# Altium PCB STM32F405.PcbDoc (part 3 of 3)
Units mil, origin at the board's own origin, x right, y up, seen from the top; angles counter-clockwise.
Board outline 3937.01 x 3937.01 mil, 4 copper layers (Top Layer, GND02, PWR03, Bottom Layer), stack 32.024 mil thick; 190 components, 150 nets, 1254 pads, 483 vias.
Unrouted connection lines stored in the file: 176.
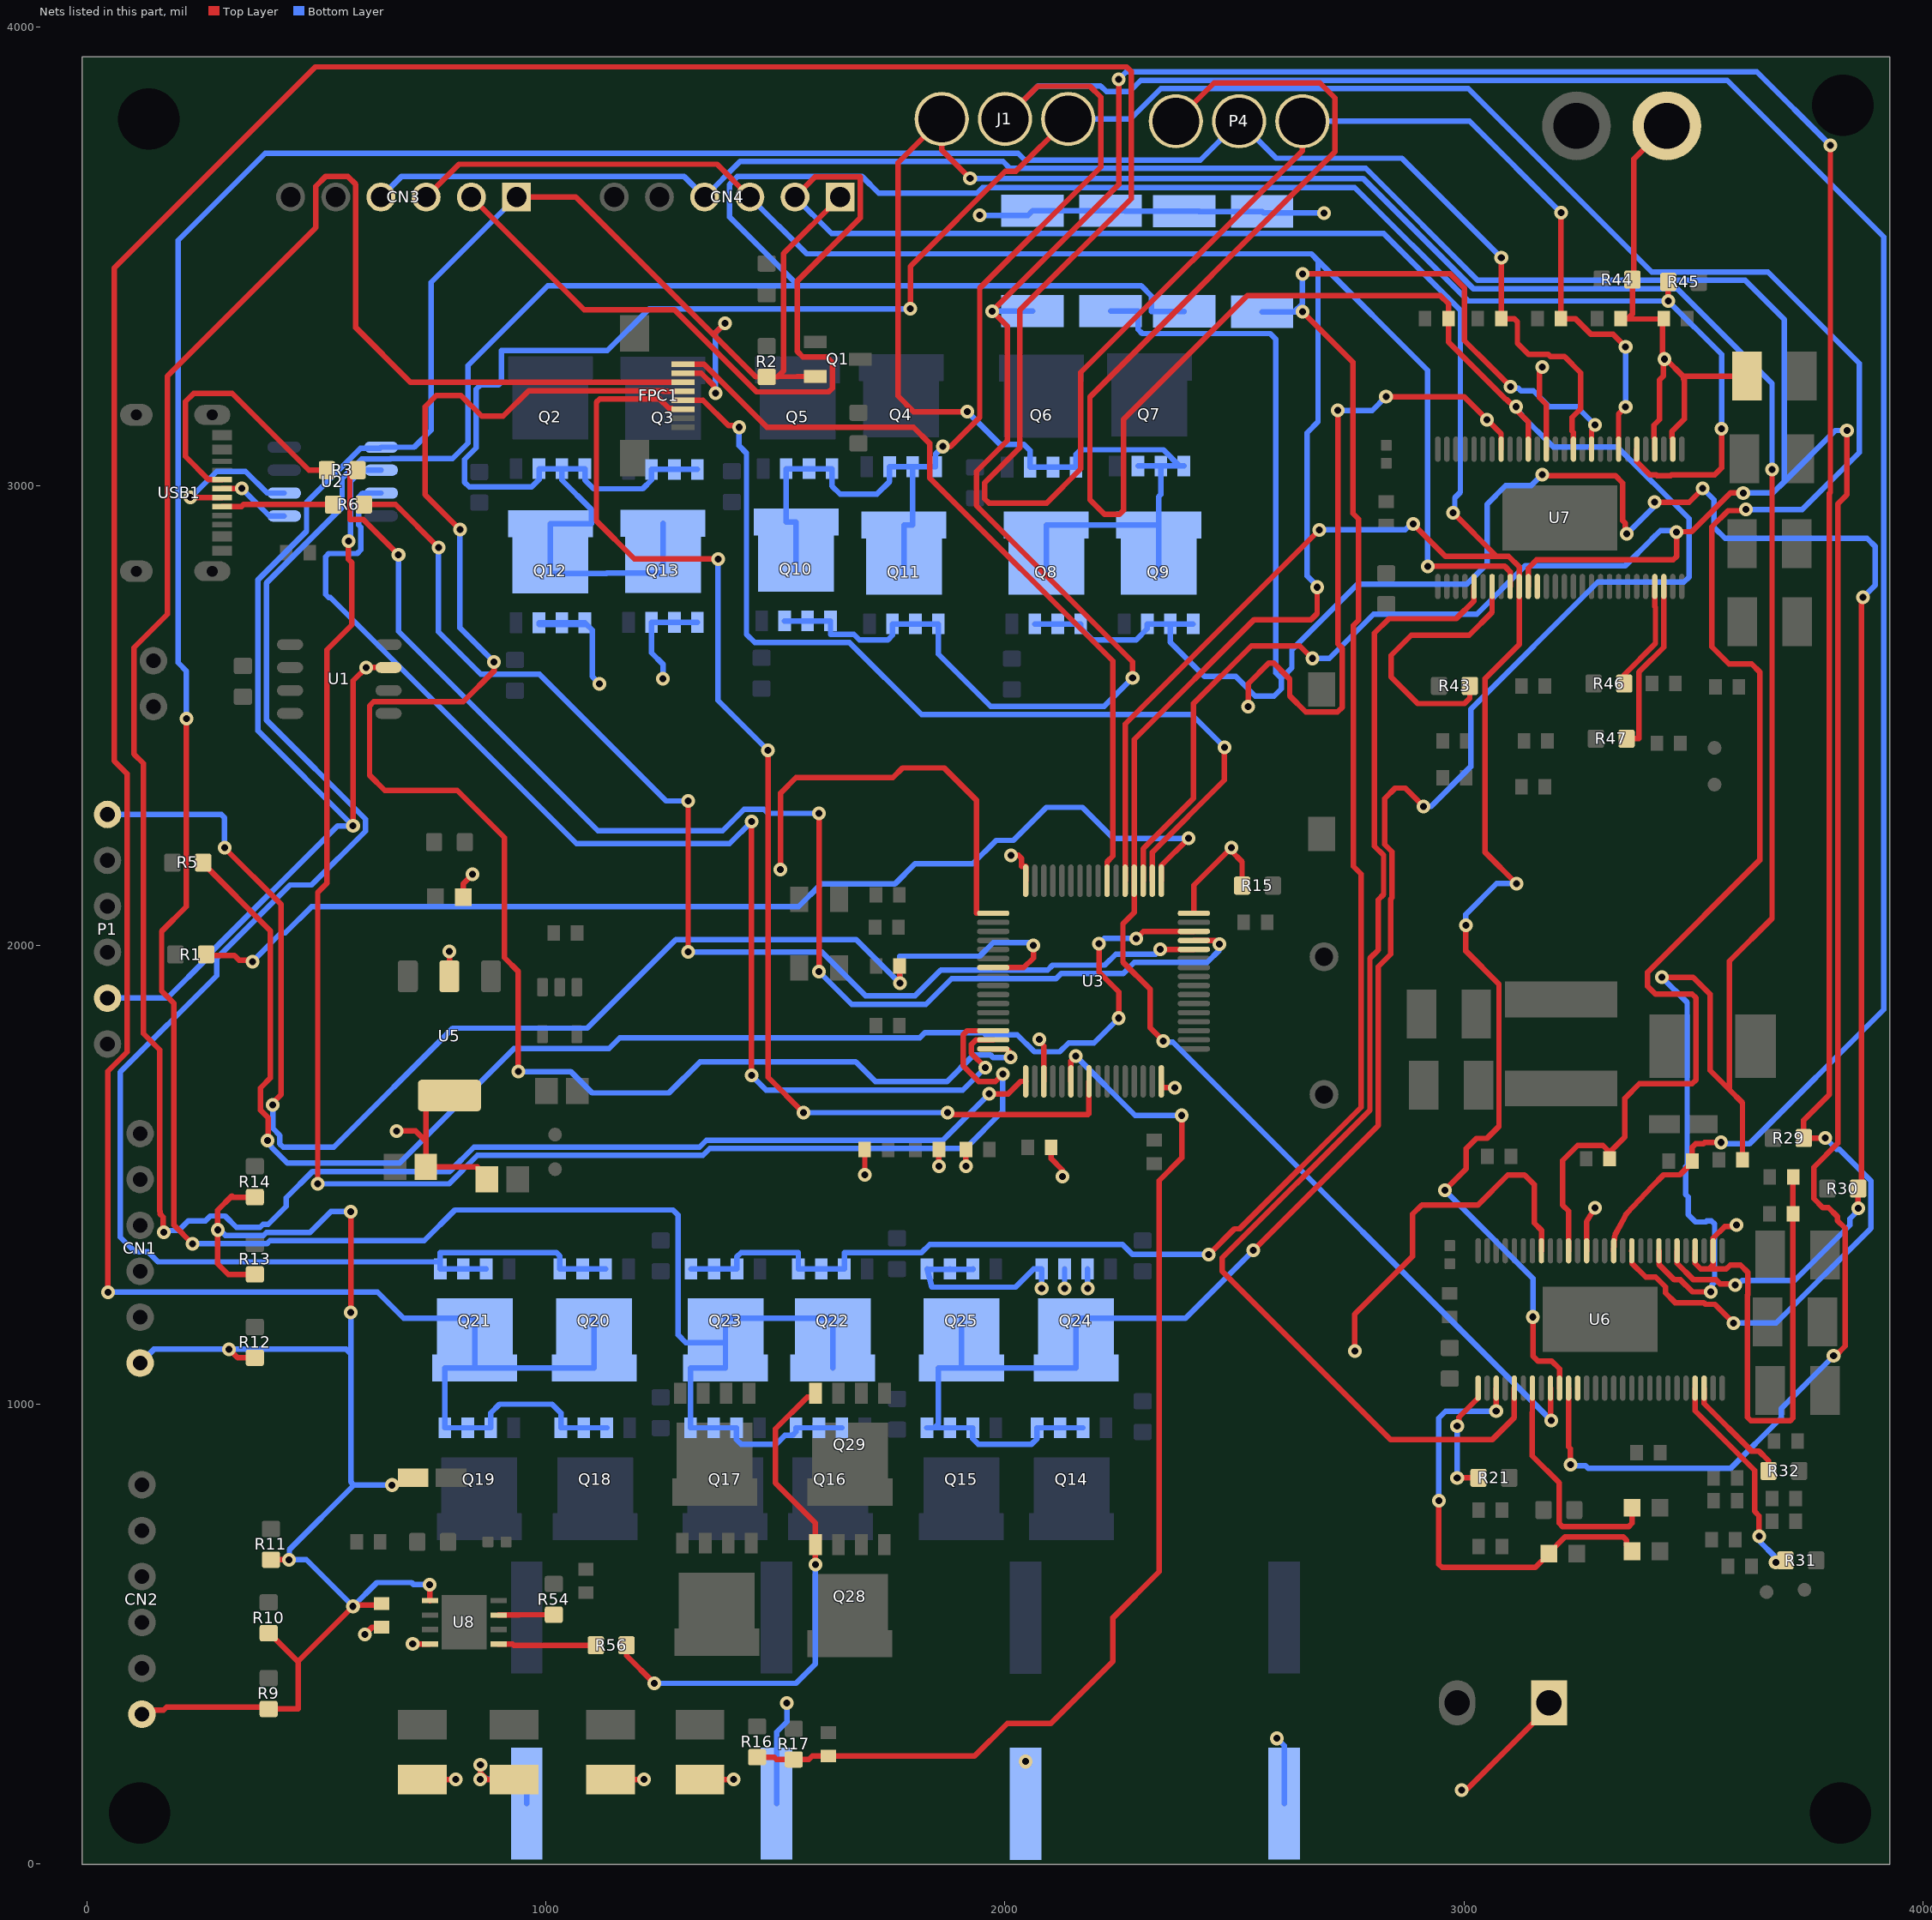
[diagram p5: the nets of this part, all layers, seen from the top]

## Via types
v1: diameter 30, hole 15, Top Layer to Bottom Layer, 441 vias
v2: diameter 27.56, hole 11.81, Top Layer to Bottom Layer, 42 vias

## Nets (pads, with @x,y where several pads share a name; then routed paths per layer and width w, separated by ;. In a path a pad name is that pad's centre, name@x,y a point inside that pad or via, vN(x,y) a via of type N, cw(c..) or ccw(c..) an arc to the next point about the centre after c; other vN are vias at no path point) (continued)
NetQ28_G: Q28.G Q29.G R56.1 | length 1149.5
  Top Layer w12: R56.1@1175.67,475.25 1175.67,452.71 v1(1235.99,392.39) ; v1(1586.99,651.39) 1587.2,651.6 Q28.G@1587.2,694.34 1587.2,741.39 1500,828.59 1500,946.4 1568.99,1015.39 1587.48,1015.39 Q29.G@1587.48,1024.34
  Bottom Layer w12: v1(1235.99,392.39) 1544.99,392.39 1586.99,434.39 v1(1586.99,651.39)
NetR3_1: R3.1 USB1.5 | length 605.3
  Top Layer w12: USB1.5@295,3014.68 264.99,3014.68 214.99,3064.68 214.99,3184.39 232.99,3202.39 316.38,3202.39 483.77,3035 R3.1@523.07,3035
NetR6_1: R6.1 USB1.8 | length 243.3
  Top Layer w12: USB1.8@295,2955.63 336.99,2955.63 341.36,2960 R6.1@536.53,2960
NetR21_1: R21.1 U6.1 | length 239.3
  Top Layer w12: v1(2985,840) R21.1@3031.53,840 ; v1(2985,953) 2988.44,956.44 2988.44,971.59 U6.1@3030.69,1013.84
  Bottom Layer w12: v1(2985,840) v1(2985,953)
NetR22_1: R22.1 R27.2 U6.3 | length 972.6
  Top Layer w12: v1(2945,790) 2945,651.77 2952.03,644.74 3155.41,644.74 3184.68,674.01 3184.68,675.98 3219.92,711.22 3346.88,711.22 3353.91,704.19 3353.91,692.31 R27.2@3366.22,680 ; v1(3070,985) 3070.08,985.08 3070.08,1035.32 U6.3@3070.16,1035.39
  Bottom Layer w12: v1(2945,790) 2945,970 2960,985 v1(3070,985)
NetR28_1: R28.1 U6.7 | length 517.8
  Top Layer w12: U6.7@3148.9,1035.39 3148.9,982.2 3148.62,981.93 3148.62,887.67 3206.99,829.3 3206.99,741.39 3214.99,733.39 3358.22,733.39 3366.22,741.39 R28.1@3366.22,775
NetR31_1: R31.1 U6.25 | length 475.3
  Top Layer w12: U6.25@3503.23,1035.39 3503.23,985.74 3632.99,855.98 3632.99,767 3642.74,757.24 v1(3642.74,713) ; v1(3678.96,655.7) 3681.11,657.85 3697.85,657.85 R31.1@3700,660
  Bottom Layer w12: v1(3642.74,713) 3646.19,709.56 3646.19,699.04 3675.51,669.72 3675.51,659.15 v1(3678.96,655.7)
NetR32_1: R32.1 U6.26 | length 247.9
  Top Layer w12: U6.26@3522.91,1035.39 3522.91,1001.47 3625.99,898.39 3642.07,898.39 3663.07,877.39 R32.1@3663.07,855
NetR43_1: R43.1 U7.7 | length 589.6
  Top Layer w12: R43.1@3012.52,2565 3012.52,2537.92 3000.99,2526.39 2898.99,2526.39 2840.99,2584.39 2840.99,2631.39 2884.99,2675.39 3011.1,2675.39 3061.1,2725.39 U7.7@3061.1,2781.56
NetR46_1: R46.1 U7.25 | length 240.4
  Top Layer w12: R46.1@3349.06,2570 3349.06,2589.55 3417,2657.5 3417,2736.18 3415.43,2737.75 U7.25@3415.43,2781.56
NetR47_1: R47.1 U7.26 | length 380.9
  Top Layer w12: R47.1@3354.06,2450 3380.99,2450 3380.99,2595.39 3435.12,2649.52 U7.26@3435.12,2781.56
NetR54_2: R54.2 U8.7 | length 120.7
  Top Layer w12: U8.7@896.81,541 941.74,541 942.53,541.78 R54.2@1017.2,541.78
NetR56_2: R56.2 U8.5 | length 213.1
  Top Layer w12: U8.5@896.81,478 927.23,478 929.99,475.25 R56.2@1108.74,475.25
NetU2_1: U2.1 USB1.6 | length 160.2
  Top Layer w12: USB1.6@295,2995 336.99,2995 v1(337.38,2995.39)
  Bottom Layer w12: v1(337.38,2995.39) 397.77,2935 U2.1@430,2935
NetU2_2: U2.2 USB1.7 | length 316.3
  Top Layer w12: v1(225.99,2975.31) USB1.7@295,2975.31
  Bottom Layer w12: v1(225.99,2975.31) 283.07,3032.39 345.6,3032.39 392.99,2985 U2.2@430,2985
NetU6_12: U6.12
NetU7_12: U7.12
nRST_4: C6.2 P1.6 U3.7 | length 3138.6
  Top Layer w12: v1(299.99,2212.39) 422.99,2089.39 422.99,1674.68 405.28,1656.97 v1(405.28,1652.1) ; C6.2@1770.59,1955 1770.59,1917.79 v1(1770.99,1917.39) ; U3.7@1974.43,1951.59 2021.96,1951.59 2022.16,1951.39 2040.99,1951.39 2061.99,1972.39 v1(2061.99,1999.39)
  Bottom Layer w12: P1.6@45,2285 292.96,2285.01 299.99,2277.98 v1(299.99,2212.39) ; v1(405.28,1652.1) 405.28,1601.1 420.55,1585.83 420.55,1567.42 427.58,1560.39 538.19,1560.39 797.19,1819.39 1089.99,1819.39 1282.99,2012.39 1675.99,2012.39 v1(1770.99,1917.39) 1770.99,1976.33 1945.09,1976.33 1974.26,2005.49 2055.88,2005.49 v1(2061.99,1999.39)
OCTW_4: U6.5 U7.5 | length 2693.3
  Top Layer w12: U7.5@3021.73,2781.56 3021.73,2750.39 2982.73,2711.39 2836.46,2711.39 2804.99,2679.92 2804.99,2215.95 2824.87,2196.07 2824.87,2110.92 2812.99,2099.03 2812.99,1989.51 2794.99,1971.51 2794.99,1640.79 2473.3,1319.1 2473.3,1289.88 2840.18,923 3061.18,923 3109.53,971.34 U6.5@3109.53,1035.39
PGND: C12.2 C13.2 C14.2 C15.2 C16.2 C17.1 C18.1 C19.1 C38.1 C41.1 C49.1 C56.1 C59.1 C68.1 P3.2 Q12.S Q13.S Q24.S Q25.S R36.1 R37.1 R44.1 R51.1 R52.1 U6.30 U6.32 U6.44 U7.30 U7.32 U7.44 U8.4 U9.1 | length 5797.1
  Top Layer w12: v1(605.47,498.66) 621.47,514.66 C68.1@642.2,514.66 ; v1(709.88,478) U8.4@747.59,478 ; C17.1@730.58,182.92 v1(803.73,182.92) ; v1(857.43,214.92) 857.43,197.39 871.9,182.92 C16.2@930.58,182.92 ; C18.1@1140.58,182.92 v1(1213.73,182.92) ; C19.1@1335.58,182.92 v1(1408.73,182.92) ; v1(2995,160) 2998.44,163.44 3008.29,163.44 3185,340.16 v1(3185,350) ; v1@3164.14,3254.14 3164.14,3192.97 3179.21,3177.9 U7.44@3179.21,3080.77 ; U6.44@3267.01,1334.61 3267.01,1392.09 3267.01,1397.2 3268.69,1401.43 v1(3285,1428) ; C56.1@3341.18,3365 3342.01,3364.17 3355.95,3364.17 ; R44.1@3364.34,3447.66 3369.54,3452.86 3369.54,3712.68 P3.2@3441.85,3785 ; R44.1@3366.67,3449.99 3366.67,3374.89 3355.95,3364.17 ; U7.32@3415.43,3080.77 3415.43,3103.95 3413.44,3105.94 3413.44,3133.01 3425.67,3145.24 3425.67,3231.56 3434.52,3240.41 3434.52,3274.52 v1(3436.85,3276.85) ; C59.1@3432.67,3362.67 3432.67,3285.9 3436.85,3281.72 v1(3436.85,3276.85) ; C59.1@3434.17,3364.17 3355.95,3364.17 ; U7.30@3454.8,3080.77 3454.8,3103.95 3452.81,3105.94 3452.81,3119.45 3479.67,3146.31 3479.67,3231.56 3477.67,3233.57 3477.67,3239.18 ; U6.32@3503.23,1334.61 3503.32,1334.51 3503.32,1307.22 3515.5,1295.05 3530.33,1295.05 3530.8,1295.52 3531.28,1295.05 3571.07,1295.05 3579.69,1303.66 3602.05,1303.66 3617.87,1287.84 3617.87,1238.64 3617.35,1238.12 3617.35,971.94 3624.9,964.39 3710.99,964.39 3716.53,969.94 C41.1@3716.53,1415 3716.53,1462.8 C38.1@3717.12,1495 ; 3534.12,1295.52 3542.5,1303.91 3542.5,1334.51 3542.69,1334.7 3542.69,1361.99 3568.17,1387.47 3590.2,1387.47 v1(3593.64,1390.91) ; C49.1@3616.11,3240 3615.29,3239.18 3477.67,3239.18 ; v1(3436.85,3276.85) 3440,3276.85 3477.67,3239.18
  Bottom Layer w12: v1(856.99,183.39) 958.33,183.39 C14.2@958.33,130.34 ; Q12.S@985,2702.69 Q12.S@985,2702.39 ; Q12.S@1035,2702.69 Q12.S@1035,2702.39 ; Q12.S@1085,2702.69 1085,2702.39 Q12.S@1035,2702.39 ; v1(1116.99,2569.39) 1100.99,2585.39 1100.99,2686.39 1088.99,2698.39 985,2698.39 Q12.S@985,2702.39 ; Q13.S@1230,2703.54 Q13.S@1230,2703.39 ; v1(1254.99,2580.39) 1254.99,2612.4 1230,2637.39 Q13.S@1230,2703.39 ; Q13.S@1280,2703.54 Q13.S@1280,2703.39 ; Q13.S@1330,2703.54 1330,2703.39 Q13.S@1280,2703.39 ; C12.2@1502.61,130.34 1502.61,286.28 1524.99,308.65 v1(1524.99,349.06) ; Q25.S@1880.27,1295 Q25.S@1880.27,1294.39 ; Q25.S@1930.27,1295 1930.27,1294.39 Q25.S@1880.27,1294.39 ; v1(1945,3590) 2050,3590 R37.1@2060,3600 R36.1@2230,3600 2261.99,3600 2261.99,3599.13 R51.1@2390.56,3599.13 2422.99,3599.13 2422.99,3598.5 R52.1@2560,3598.5 2563.5,3595 v1(2695,3595) ; v1(2080,1252.36) Q24.S@2080,1295 2062.6,1295 2022.99,1255.39 1840.99,1255.39 Q25.S@1830.44,1294.39 ; v1(2130,1252.36) Q24.S@2130,1295 ; v1(2180,1252.36) Q24.S@2180,1295 ; v1(2592.33,272.39) 2608.33,256.39 C13.2@2608.33,130.34 ; Q12.S@985,2702.39 Q12.S@1035,2702.39 ; Q13.S@1230,2703.39 Q13.S@1280,2703.39 ; Q25.S@1830.44,1294.39 Q25.S@1880.27,1294.39 ; Q25.S@1830.44,1294.39 1830.27,1294.39 Q25.S@1830.27,1295 Q25.S@1830.44,1294.39
  other v1: 2045,221.93 3170,3260
RXD_4: U2.7 U3.15 | length 2718
  Top Layer w12: v1(1447.99,1716.39) v1(1447.99,2269.39) ; v1(1957.49,1733.89) 1927,1764.38 1927,1784.12 1936.99,1794.11 U3.15@1974.43,1794.11
  Bottom Layer w12: U2.7@641.22,2985 600.99,2985 592.18,2976.19 592.18,2915.2 596.99,2910.39 596.99,2861.39 588.99,2853.39 527.03,2853.39 520,2846.36 520,2764.42 527.03,2757.39 530.36,2757.39 1066.36,2221.39 1399.99,2221.39 v1(1447.99,2269.39) ; v1(1447.99,1716.39) 1479.78,1684.6 1908.2,1684.6 v1(1957.49,1733.89)
SH_A_2: C50.1 P4.1 Q14.S Q15.S Q24.D Q25.D U7.46 | length 7185.7
  Top Layer w12: P4.1@2372.2,3795 2455.59,3878.39 2685.99,3878.39 2718.99,3845.39 2718.99,3728.39 2184.99,3194.39 2184.99,2970.39 2216.99,2938.39 2248.99,2938.39 2257.99,2947.39 2257.99,3145.39 2527.99,3415.39 2948.18,3415.39 2966.18,3397.39 C50.1@2966.18,3365 2966.18,3313.82 3090.41,3189.59 3091.9,3189.59 3108.31,3173.18 v1(3113.18,3173.18) ; v1(2540.99,1335.39) 2812.99,1607.39 2812.99,1953.51 2839.99,1980.51 2839.99,2100.57 2842.87,2103.46 2842.87,2203.52 2826.99,2219.41 2826.99,2319.48 2849.9,2342.39 2871.99,2342.39 v1(2911.99,2302.39) ; v1@3110,3170 3139.84,3140.16 U7.46@3139.84,3080.77
  Bottom Layer w12: Q15.S@1830,948.98 1846.57,948.98 ; Q25.D@1905.27,1187.72 Q25.D@1905.27,1134.57 Q25.D@1905.27,1079.45 ; Q14.S@2170,948.98 Q14.S@2120,948.98 Q14.S@2070,948.98 2070,925.39 2058,913.39 1942,913.39 1930,925.39 Q15.S@1930,948.98 Q15.S@1880,948.98 1846.57,948.98 ; v1(2540.99,1335.39) 2393.32,1187.72 Q24.D@2155,1187.72 Q24.D@2155,1134.57 Q24.D@2155,1079.45 2009.99,1079.45 Q25.D@1905.27,1079.45 ; v1(2911.99,2302.39) 2927.99,2302.39 3014.57,2388.98 3014.57,2514.12 3291.46,2791 3478.97,2791 3490,2802.03 3490,2929.23 3333.49,3085.74 3194.26,3085.74 3125.21,3154.79 3125.21,3156.28 3113.18,3168.31 v1(3113.18,3173.18) ; 1846.57,948.98 1854.99,957.39 1854.99,1079.45 Q25.D@1905.27,1079.45
SH_A_3: C32.1 J1.1 Q2.S Q3.S Q12.D Q13.D U6.46 | length 7833.3
  Top Layer w12: v1(1793.99,3386.39) 1793.99,3478.99 2000.76,3685.76 2023.56,3685.76 J1.1@2137.79,3800 ; U6.46@3227.64,1334.61 3227.64,1420.82 3214.57,1433.88 3214.57,1531.11 3247.19,1563.73 3302.72,1563.73 C32.1@3317.13,1549.32 ; C32.1@3317.13,1535 C32.1@3317.13,1549.32 ; v1(3614,2949.39) 3611.31,2946.7 3574.99,2946.7 3540,2911.71 3540,2650 3577,2613 3626.42,2613 3643.99,2595.43 3643.99,2185.4 3399.98,1941.39 3399.98,1910.64 3416.99,1893.63 3496.99,1893.63 3504.99,1885.63 3504.99,1706.39 3496.99,1698.39 3381.99,1698.39 3349.99,1666.39 3349.99,1582.18 3321.16,1553.36 C32.1@3317.13,1549.32
  Bottom Layer w12: Q13.D@1255,2919.1 Q13.D@1255,2863.98 Q13.D@1255,2810.83 1132.99,2810.83 1132.13,2809.97 Q12.D@1010,2809.97 Q12.D@1010,2863.12 Q12.D@1010,2918.24 1098.99,2918.24 1098.99,2949.4 1035,3013.39 Q2.S@1035,3038.07 ; Q3.S@1330,3036.54 Q3.S@1280,3036.54 Q3.S@1230,3036.54 1230,3013.39 1211,2994.39 1104,2994.39 1085,3013.39 Q2.S@1085,3038.07 Q2.S@1035,3038.07 ; v1(1793.99,3386.39) 1224.99,3386.39 1133.99,3295.39 902.99,3295.39 902.99,3227.06 896.29,3220.36 856.99,3220.36 848.32,3211.69 848.32,3083.72 822.99,3058.39 822.99,3008.39 832.99,2998.39 968.99,2998.39 985,3014.4 Q2.S@985,3038.07 Q2.S@1035,3038.07 ; J1.1@2137.79,3800 2273.6,3800 2339.65,3866.06 3009.32,3866.06 3408.99,3466.39 3661.99,3466.39 3860.99,3267.39 3860.99,3073.39 3736.99,2949.39 v1(3614,2949.39)
SH_B_2: C51.1 P4.2 Q16.S Q17.S Q22.D Q23.D U7.41 | length 8425.3
  Top Layer w12: v1(216.99,2493.39) 216.99,2084.39 162.99,2030.39 162.99,1900.39 190,1873.38 190,1390 v1(230,1350) ; v1(3081.18,3497.71) C51.1@3081.18,3365 3109.19,3365 3116.22,3357.97 3116.22,3311.29 3140.51,3287 3183.39,3287 3188.12,3282.27 3218.85,3282.27 3253.99,3247.13 3253.99,3168.34 3235.27,3149.62 3235.27,3119.73 3238.17,3116.83 3238.17,3080.87 U7.41@3238.27,3080.77
  Bottom Layer w12: v1(216.99,2493.39) 216.99,2597.39 198.99,2615.39 198.99,3535.39 388.77,3725.17 2028.49,3725.17 2043.27,3710.39 2425.39,3710.39 P4.2@2510,3795 2590.61,3714.39 2864.5,3714.39 v1(3081.18,3497.71) ; v1(230,1350) 230.18,1349.82 392.21,1349.82 398.78,1356.39 734.99,1356.39 801.99,1423.39 1276.99,1423.39 1287.99,1412.39 1287.99,1151.57 1304.99,1134.57 Q23.D@1391.22,1134.57 ; Q22.D@1625,1079.45 Q22.D@1625,1134.57 Q22.D@1625,1187.72 1430.99,1187.72 Q23.D@1391.22,1187.72 Q23.D@1391.22,1134.57 ; Q16.S@1644.72,948.97 Q16.S@1594.72,948.97 Q16.S@1544.72,948.97 1544.72,940.12 1536.95,932.34 1520.64,932.34 1501.69,913.39 1424.99,913.39 1415.28,923.1 Q17.S@1415.28,948.97 Q17.S@1365.28,948.97 Q17.S@1315.28,948.97 1315.28,1079.45 Q23.D@1391.22,1079.45 Q23.D@1391.22,1134.57
SH_B_3: C33.1 J1.2 Q4.S Q5.S Q10.D Q11.D U6.41 | length 6765.2
  Top Layer w12: v1(1864.99,3086.39) 1881.36,3086.39 1944.99,3150.01 1944.99,3431.49 2208.99,3695.49 2208.99,3847.39 2184.99,3871.39 2071.38,3871.39 J1.2@1999.99,3800 ; U6.41@3326.06,1334.61 3327.84,1363.68 3329.98,1371.58 3345.45,1399.8 3352.33,1413.21 3354.95,1416.43 3409.97,1475.43 3434.54,1500 3470.08,1500 3497.12,1527.05 3497.12,1560.36 3504.15,1567.39 3520.69,1567.39 3523.83,1570.52 v1(3559.69,1570.52)
  Bottom Layer w12: Q10.D@1545,2813.82 Q10.D@1545,2866.97 Q10.D@1545,2922.09 1523.33,2922.09 Q5.S@1523.33,3038.07 Q5.S@1573.33,3038.07 Q5.S@1623.33,3038.07 1623.33,3000.05 1640.99,2982.39 1720.99,2982.39 1748.78,3010.18 Q4.S@1748.78,3042.44 Q4.S@1798.78,3042.44 ; Q11.D@1780,2807.28 Q11.D@1780,2860.43 Q11.D@1780,2915.55 1798.78,2915.55 Q4.S@1798.78,3042.44 ; v1(1864.99,3086.39) 1848.78,3070.18 Q4.S@1848.78,3042.44 Q4.S@1798.78,3042.44 ; J1.2@1999.99,3800 2072.04,3872.06 2208.32,3872.06 2220.99,3859.39 2271.14,3859.39 2295.81,3884.06 3573.13,3884.06 3913.99,3543.2 3913.99,1859.97 3621.41,1567.39 3562.83,1567.39 v1(3559.69,1570.52)
SH_C_2: C55.1 P4.3 Q18.S Q19.S Q20.D Q21.D U7.36 | length 10124.7
  Top Layer w12: v1(45.99,1244.39) 45.99,1725.39 87.99,1767.39 87.99,2373.39 59.99,2401.39 59.99,3475.39 497.99,3913.39 2264.99,3913.39 2274.99,3903.39 2274.99,3626.39 2031.99,3383.39 2031.99,3083.39 1955.99,3007.39 1955.99,2972.39 1964.99,2963.39 2090.99,2963.39 2165.13,3037.53 2165.13,3247.7 2647.79,3730.36 P4.3@2647.79,3795 ; v1(3211.18,3595.81) C55.1@3211.18,3365 3242.38,3365 3276.72,3330.65 3324.72,3330.65 v1(3351.99,3303.39) ; U7.36@3336.69,3080.77 3336.69,3157.09 v1(3351.99,3172.39)
  Bottom Layer w12: v1(45.99,1244.39) 633.31,1244.39 689.99,1187.72 Q21.D@845,1187.72 Q21.D@845,1134.57 Q21.D@845,1079.45 ; Q20.D@1105.27,1187.72 Q20.D@1105.27,1134.57 Q20.D@1105.27,1079.45 1033.99,1079.45 Q21.D@845,1079.45 ; Q18.S@1132.65,948.97 Q18.S@1082.65,948.97 Q18.S@1032.65,948.97 1032.65,981.39 1013.65,1000.39 899,1000.39 880,981.39 Q19.S@880,948.98 Q19.S@830,948.98 Q19.S@780,948.98 780,1079.45 Q21.D@845,1079.45 ; P4.3@2647.79,3795 3011.99,3795 v1(3211.18,3595.81) ; v1(3351.99,3172.39) v1(3351.99,3303.39)
SH_C_3: C37.1 J1.3 Q6.S Q7.S Q8.D Q9.D U6.36 | length 7184.6
  Top Layer w12: v1(1917.99,3162.39) 1800.99,3162.39 1766.99,3196.39 1766.99,3704.78 J1.3@1862.2,3800 1862.2,3732.17 v1(1923.99,3670.39) ; U6.36@3424.49,1334.61 3424.49,1304.89 3458.01,1271.36 3471.21,1271.36 3497.57,1245 v1(3537.14,1245) ; v1(3430.99,1930.39) 3498.99,1930.39 3535.99,1893.39 3535.99,1727.39 3577.99,1685.39 ; C37.1@3606.51,1532.79 3606.51,1656.87 3577.99,1685.39 ; v1(3670.99,3036.39) 3670.99,2058.39 3577.99,1965.39 3577.99,1685.39
  Bottom Layer w12: v1(1917.99,3162.39) 1988.99,3091.39 2040.99,3091.39 2054.73,3077.65 Q6.S@2054.73,3041.54 Q6.S@2104.73,3041.54 Q6.S@2154.73,3041.54 2154.73,3069.39 2164.73,3079.39 2344.99,3079.39 Q7.S@2380.4,3043.98 ; v1(1923.99,3670.39) 2779.99,3670.39 3019.99,3430.39 3463.99,3430.39 3670.99,3223.39 v1(3670.99,3036.39) ; Q8.D@2090,2807.28 Q8.D@2090,2860.43 Q8.D@2090,2915.55 Q9.D@2335,2915.55 ; Q7.S@2289.73,3043.98 Q7.S@2339.73,3043.98 ; Q9.D@2335,2807.28 Q9.D@2335,2860.43 Q9.D@2335,2915.55 ; Q7.S@2389.73,3043.98 Q7.S@2380.4,3043.98 ; v1(3430.99,1930.39) 3486,1875.38 3486,1521.45 3483,1518.45 3483,1457 3488.2,1451.8 3488.2,1413.15 3504.02,1397.33 3526.39,1397.33 3528.9,1399.85 3538.84,1399.85 3545.87,1392.82 3545.87,1266.46 3540.59,1261.17 3540.59,1248.44 v1(3537.14,1245) ; Q9.D@2335,2915.55 2335,2977.39 2339.73,2982.12 Q7.S@2339.73,3043.98 ; Q7.S@2339.73,3043.98 Q7.S@2380.4,3043.98
SL_B_2: Q22.S Q23.S R52.2 U7.39 | length 4578.6
  Top Layer w12: v1(2443.99,1326.39) 2499.94,1382.34 2511.08,1382.34 2775.99,1647.24 2775.99,2154.98 2758.99,2171.98 2758.99,2696.93 2770,2707.94 2770,2928.64 2758,2940.64 2758,3269.99 v1(2647.99,3380) ; v1(2647.99,3462.39) 2969.99,3462.39 3000.99,3431.39 3000.99,3317.19 3055.93,3262.25 v1(3101.59,3216.59) ; U7.39@3277.64,3080.77 3277.73,3080.87 3277.73,3121.78 3284.86,3128.91 v1(3284.86,3133.78)
  Bottom Layer w12: Q23.S@1316.22,1295 Q23.S@1366.22,1295 Q23.S@1416.22,1295 1416.22,1321.62 1424.99,1330.39 1550,1330.39 Q22.S@1550,1295 Q22.S@1600,1295 Q22.S@1650,1295 1650,1330.39 1817.99,1330.39 1835.99,1348.39 2255.99,1348.39 2277.99,1326.39 v1(2443.99,1326.39) ; R52.2@2560,3380 2630.6,3380 ; v1(2647.99,3380) 2630.6,3380 ; v1(2647.99,3462.39) 2647.99,3397.39 2630.6,3380 ; v1(3101.59,3216.59) 3105.04,3213.15 3118.67,3213.15 3123.82,3208 3150.97,3208 3185.97,3173 3245.64,3173 v1(3284.86,3133.78)
SL_B_3: Q10.S Q11.S R29.1 R37.2 U6.39 | length 7440.3
  Top Layer w12: v1(2247.99,3886.39) 2247.99,3657.39 v1(1971.99,3381.39) 2004.99,3348.39 2004.99,3099.39 1937.99,3032.39 1937.99,2957.74 2277.99,2617.74 v1(2277.99,2582.39) ; U6.39@3365.43,1334.61 3365.53,1334.51 3365.53,1307.22 3395.71,1277.04 3417.53,1277.04 3438.65,1255.92 3438.65,1242.72 3459.78,1221.59 3522.37,1221.59 3525.96,1218 3546.2,1218 v1(3586.99,1177.21) ; v1(3786.99,1580) R29.1@3740,1580 3740,1619.39 3795.99,1675.38 3795.99,2984.39 3797.99,2986.39 v1(3797.99,3742.39)
  Bottom Layer w12: Q10.S@1520,2706.54 Q10.S@1570,2706.54 Q10.S@1620,2706.54 1620,2677.39 1670.99,2677.39 1683.02,2665.36 1744.99,2665.36 1755,2675.37 Q11.S@1755,2700 Q11.S@1805,2700 Q11.S@1855,2700 1855,2634.39 1969,2520.39 2215.99,2520.39 v1(2277.99,2582.39) ; v1(1971.99,3381.39) 1972.09,3381.5 R37.2@2060,3381.5 ; v1(2247.99,3886.39) 2263.99,3902.39 3637.99,3902.39 v1(3797.99,3742.39) ; v1(3586.99,1177.21) 3679.81,1177.21 3885.99,1383.39 3885.99,1487 3817.57,1555.42 3811.57,1555.42 v1(3786.99,1580)
SL_C_2: Q20.S Q21.S R45.1 R51.2 U7.34 | length 8597.4
  Top Layer w12: U7.34@3376.06,3080.77 3376.16,3080.68 3376.16,3053.39 3404.55,3025 3418.46,3025 3420.25,3023.21 3449.99,3023.21 3451.78,3025 3546.02,3025 3560.99,3039.97 v1(3560.99,3125.39) ; v1(3444.74,3403.39) R45.1@3444.74,3444.99
  Bottom Layer w12: Q21.S@870,1295 Q21.S@820,1295 Q21.S@770,1295 Q21.S@770,1310.39 ; Q20.S@1130.27,1295 Q20.S@1080.27,1295 Q20.S@1030.27,1295 1030.27,1323.39 1023.27,1330.39 770,1330.39 Q21.S@770,1310.39 ; R51.2@2390.56,3380.62 2318.99,3380.62 2318.99,3414.39 2296.99,3436.39 1549.99,3436.39 ; v1(3560.99,3125.39) 3560.99,3287.14 v1(3444.74,3403.39) 3008.99,3403.39 2761.99,3650.39 1951.31,3650.39 1939.31,3638.39 1724.99,3638.39 1688.99,3674.39 1416.99,3674.39 1399.99,3657.39 1399.99,3586.39 1549.99,3436.39 ; Q21.S@770,1310.39 155.12,1310.39 133.51,1332 105.38,1332 72.99,1364.39 72.99,1724.08 283,1934.1 283,1971.64 442.74,2131.38 489.56,2131.38 607,2248.82 607,2274.82 391,2490.82 391,2788.88 556.18,2954.05 556.18,3017.03 598.54,3059.4 661.53,3059.4 662.51,3060.39 796.99,3060.39 830.32,3093.72 830.32,3262.72 1003.99,3436.39 1549.99,3436.39
SL_C_3: Q8.S Q9.S R30.1 R36.2 U6.34 | length 5701.6
  Top Layer w12: v1(3170,3025) 3171.79,3023.21 3329.73,3023.21 3345.74,3007.2 3345.74,2925.14 3351.3,2919.58 3351.3,2899.83 v1(3354.74,2896.38) ; v1(3415,2965) 3490,2965 v1(3520,2995) ; U6.34@3463.86,1334.61 3463.95,1334.51 3463.95,1307.22 3499.17,1272 3548.33,1272 3557.87,1262.45 3588.42,1262.45 v1(3590.87,1260) ; v1(3858.46,1427.48) R30.1@3858.46,1470 3865.54,1477.08 3865.54,2754.42 v1(3868.99,2757.87)
  Bottom Layer w12: Q8.S@2065,2700 Q8.S@2115,2700 Q8.S@2165,2700 2165,2691.39 2191.03,2665.36 2285.99,2665.36 2310,2689.37 Q9.S@2310,2700 Q9.S@2360,2700 ; R36.2@2230,3381.5 2289.99,3381.5 2289.99,3341.39 2298.99,3332.39 2577.97,3332.39 2589.99,3320.38 2589.99,2593.2 2602,2581.18 2602,2558.82 2586.18,2543 2545.18,2543 2502.78,2585.4 2434.6,2585.4 2360,2660 Q9.S@2360,2700 ; Q9.S@2410,2700 Q9.S@2360,2700 ; 2597.78,2585.4 2606.19,2585.4 2625,2604.21 2625,2643.64 2767.75,2786.39 3005.99,2786.39 3050,2830.4 3050,2960.46 3090.81,3001.26 3146.26,3001.26 v1(3170,3025) ; v1(3354.74,2896.38) 3411.56,2953.2 3411.56,2961.56 v1(3415,2965) ; v1(3520,2995) 3544.54,2970.46 3544.54,2910.42 3568.57,2886.39 3877.99,2886.39 3895.99,2868.39 3895.99,2784.87 v1(3868.99,2757.87) ; v1(3590.87,1260) 3595.74,1260 3605.74,1270 3720,1270 3840.39,1390.39 3840.39,1404.54 3858.46,1422.61 v1(3858.46,1427.48)
SPI_MISO_4: CN3.3 CN4.3 U3.52 U6.9 U7.9 | length 6302.9
  Top Layer w12: CN3.3@739.22,3630 810.61,3701.39 1372.82,3701.39 CN4.3@1444.21,3630 ; v1(2344.99,1791.39) 2315.99,1820.39 2315.99,1904.39 2256.99,1963.39 2256.99,2047.06 2281.52,2071.59 U3.52@2281.52,2140.56 2281.52,2448.2 2542.71,2709.39 2666.81,2709.39 2680,2722.58 v1(2680,2780) ; v1(2920.7,2825.39) 3088.99,2825.39 3100.47,2813.91 U7.9@3100.47,2781.56 ; U6.9@3188.27,1035.39 3188.36,1035.3 3188.36,966.64 v1(3190,965)
  Bottom Layer w12: CN4.3@1444.21,3630 1568.07,3506.14 2667.23,3506.14 2681.99,3491.39 ; v1(2344.99,1791.39) 2347.01,1789.37 2365.63,1789.37 v1(3190,965) ; v1(2680,2780) 2680,2782.67 2658,2804.67 2658,3116.36 2681.99,3140.35 2681.99,3491.39 ; v1(2920.7,2825.39) 2920.7,3252.67 2681.99,3491.39
SPI_MOSI_4: CN3.2 CN4.2 U3.53 U6.10 U7.10 | length 7387.6
  Top Layer w12: CN3.2@837.64,3630 1083.25,3384.39 1279.99,3384.39 1458.99,3205.39 1615.99,3205.39 1623.99,3213.39 1623.99,3269.39 1611.99,3281.39 1559.99,3281.39 1547.99,3293.39 1547.99,3447.39 1684.56,3583.96 1684.56,3673.5 1586.14,3673.5 CN4.2@1542.64,3630 ; U3.53@2261.84,2140.56 2261.84,2481.84 v1(2685,2905) ; v1(2889.29,2917.39) 2959.29,2847.39 3070.99,2847.39 ; v1(2957.99,1466.39) 3004.99,1513.39 3004.99,1557.39 3026.99,1579.39 3049.99,1579.39 3075.99,1605.39 3075.99,1915.39 3003.99,1987.39 v1(3003.99,2043.39) ; v1(2976.4,2941.98) 3070.99,2847.39 ; v1(3113.99,2134.39) 3045.99,2202.39 3045.99,2581.22 3120.16,2655.39 U7.10@3120.16,2781.56 3120.16,2824.22 3096.99,2847.39 3070.99,2847.39 ; v1(3149.99,1190.39) 3149.99,1105.39 3160.99,1094.39 3190.95,1094.39 3207.95,1077.39 U6.10@3207.95,1035.39
  Bottom Layer w12: CN4.2@1542.64,3630 1622.25,3550.39 2824.99,3550.39 2992,3383.38 2992,2986.82 2979.84,2974.66 2979.84,2945.43 v1(2976.4,2941.98) ; v1(2685,2905) 2872.03,2905 2884.42,2917.39 v1(2889.29,2917.39) ; v1(2957.99,1466.39) 3149.99,1274.39 v1(3149.99,1190.39) ; v1(3003.99,2043.39) 3003.99,2067.39 3070.99,2134.39 v1(3113.99,2134.39)
SPI_SCK_4: CN3.4 CN4.4 U3.51 U6.11 U7.11 | length 9126.1
  Top Layer w12: U3.51@2301.21,2140.56 2301.21,2210.61 2410.99,2320.39 2410.99,2526.76 2536.48,2652.25 2642.09,2652.25 2669.34,2625 v1(2670,2625) ; U7.11@3139.84,2781.56 3139.84,2821.39 3158.15,2839.69 3455.97,2839.69 3463,2846.72 v1(3463,2900) ; U6.11@3227.64,1035.39 3227.64,907.59 3231.74,903.48 v1(3231.74,868.59) ; v1@3464,2901 3496,2901 3580.39,2985.39 v1(3607.99,2985.39) ; v1(3805,1105.85) 3809.17,1105.85 3830.2,1126.88 3830.2,1383.54 3813.01,1400.72 3813.01,1409.33 3793.71,1428.64 3781.12,1428.64 3761.82,1447.94 3761.82,1516.65 3813.99,1568.82 3813.99,2961.39 3833.99,2981.39 v1(3833.99,3121.39)
  Bottom Layer w12: CN3.4@640.79,3630 685.18,3674.39 1301.4,3674.39 CN4.4@1345.79,3630 1422.96,3707.17 1995.7,3707.17 2010.49,3692.39 2785.99,3692.39 3029.99,3448.39 3612.5,3448.39 3697.99,3362.9 3697.99,3010.39 ; v1(2670,2625) 2706.6,2625 2802.99,2721.39 3027.99,2721.39 3133.6,2827 3351.54,2827 3409,2884.46 3409,2885.03 3427.42,2903.44 3459.56,2903.44 v1(3463,2900) ; v1(3231.74,868.59) 3233.93,866.4 3264.74,866.4 3270.74,860.4 3580.25,860.4 3690.9,971.05 3690.9,991.04 3805,1105.13 v1(3805,1105.85) ; v1(3607.99,2985.39) 3672.99,2985.39 3697.99,3010.39 ; v1(3833.99,3121.39) 3808.99,3121.39 3697.99,3010.39
SRC_CS_4: FPC1.8 U3.55 | length 1732
  Top Layer w12: FPC1.8@1298.72,3265.97 1344.03,3265.97 1481.61,3128.39 1800.99,3128.39 1835.93,3093.45 1835.93,3018.45 2234.99,2619.39 2234.99,2194.39 2222.46,2181.87 U3.55@2222.46,2140.56
SRC_RES_4: FPC1.3 U3.24 | length 2736.6
  Top Layer w12: FPC1.3@1298.72,3167.54 1298.63,3167.63 1275.48,3167.63 1273.79,3169.32 1268.16,3169.32 1247.49,3190 1117.03,3190 1110,3182.97 1110,2924.38 1192.99,2841.39 v1(1374.99,2841.39) ; v1(1483.99,2424.39) 1483.99,1712.39 v1(1560.99,1635.39) ; v1(1874.99,1635.39) 1878.99,1631.39 2180.99,1631.39 2183.1,1633.5 U3.24@2183.1,1703.56
  Bottom Layer w12: v1(1374.99,2841.39) 1374.99,2533.39 v1(1483.99,2424.39) ; v1(1560.99,1635.39) v1(1874.99,1635.39)
SRC_RS_4: FPC1.4 U3.50 | length 2103.1
  Top Layer w12: FPC1.4@1298.72,3187.23 1342.31,3187.23 1397.71,3131.83 1417.54,3131.83 v1(1420.99,3128.39) ; U3.50@2320.89,2140.57 2320.89,2202.53 2477.99,2359.63 v1(2477.99,2431.39)
  Bottom Layer w12: v1(1420.99,3128.39) 1420.99,3088.05 1436.99,3072.05 1436.99,2677.39 1454.99,2659.39 1661.22,2659.39 1818.22,2502.39 2406.99,2502.39 v1(2477.99,2431.39)
SRC_SCL_4: FPC1.6 U3.17 | length 5690.8
  Top Layer w12: v1(167.48,1375.1) 166.06,1376.52 166.06,1408.1 160.06,1414.1 160.06,1419.94 158.99,1421.01 158.99,1772.39 123.36,1808.02 123.36,2396.02 102.99,2416.39 102.99,2648.39 175.49,2720.89 175.49,3239.89 498.87,3563.27 498.87,3653.39 519.87,3674.39 568.99,3674.39 585.99,3657.39 585.99,3345.39 704.78,3226.6 FPC1.6@1298.72,3226.6 ; v1(1965.88,1676.39) 2006.99,1676.39 2034.15,1703.56 U3.17@2045.3,1703.56
  Bottom Layer w12: v1(167.48,1375.1) 170.93,1378.54 199.9,1378.54 221.36,1400 258.64,1400 269.03,1410.39 301.18,1410.39 325.75,1385.82 377.3,1385.82 383.87,1392.39 395.3,1392.39 434.55,1431.64 434.55,1450.14 491.81,1507.39 790.53,1507.39 843.53,1560.39 1334.53,1560.39 1349.53,1575.39 1864.88,1575.39 v1(1965.88,1676.39)
SRC_SDA_4: FPC1.5 U3.16 | length 3793.4
  Top Layer w12: v1(812.99,2905.39) 736.99,2981.39 736.99,3173.39 760.99,3197.39 814.99,3197.39 859.99,3152.39 906.99,3152.39 962.6,3208 1254.94,3208 1255.94,3207 1298.63,3207 FPC1.5@1298.72,3206.91 ; v1(886.99,2617.39) 886.99,2597.39 819.99,2530.39 624.99,2530.39 615.99,2521.39 615.99,2370.39 648.99,2337.39 806.99,2337.39 910,2234.38 910,1972.87 940,1942.87 v1(940,1725) ; U3.16@1974.43,1774.42 2003.77,1774.42 2010.38,1767.81 2010.38,1757.79 v1(2012.47,1755.71)
  Bottom Layer w12: v1(812.99,2905.39) 812.99,2691.39 v1(886.99,2617.39) ; v1(940,1725) 1054.09,1725 1100.7,1678.39 1267.99,1678.39 1335.99,1746.39 1674.99,1746.39 1717.99,1703.39 1873.99,1703.39 1931.99,1761.39 1968.31,1761.39 1973.99,1755.71 v1(2012.47,1755.71)
SWCLK_4: R1.2 U3.49 | length 2430.4
  Top Layer w12: R1.2@260,1980 262.5,1977.5 321.68,1977.5 331.42,1967.76 357.24,1967.76 v1(360.68,1964.32) ; U3.49@2340.58,2140.57 2340.58,2173.62 v1(2399.85,2232.89)
  Bottom Layer w12: v1(360.68,1964.32) 423.35,2026.99 432.44,2026.99 489.85,2084.39 1550.33,2084.39 1599.33,2133.39 1759.99,2133.39 1803.99,2177.39 1929.64,2177.39 1980.77,2228.53 2018.53,2228.53 2090.39,2300.39 2168.99,2300.39 2236.49,2232.89 v1(2399.85,2232.89)
SWDIO_4: R5.2 U3.46 | length 3123.8
  Top Layer w12: R5.2@253.46,2180 253.46,2177.91 400,2031.38 400,1710.93 378.28,1689.21 378.28,1640.91 394.99,1624.21 394.99,1576.09 v1(393.55,1574.65) ; v1(2204.99,2003.39) 2204.99,1941.39 2247.99,1898.39 v1(2247.99,1841.39) ; v1(2285.99,2014.89) 2301.43,2030.33 U3.46@2411.44,2030.33
  Bottom Layer w12: v1(393.55,1574.65) 393.55,1569.78 402.55,1560.78 402.55,1559.96 437.12,1525.39 680.99,1525.39 930.6,1775 1137.6,1775 1160.99,1798.39 1814.44,1798.39 1826.05,1810 1952.4,1810 1957.41,1804.99 2026.83,1804.99 2063.82,1768 2119.21,1768 2138.6,1787.39 2193.99,1787.39 v1(2247.99,1841.39) ; v1(2204.99,2003.39) 2216.49,2014.89 v1(2285.99,2014.89)
TXD_4: U2.6 U3.14 | length 3524.3
  Top Layer w12: v1(502.99,1480.39) 502.99,2115.14 523,2135.15 523,2643.86 577,2697.86 577,2833.66 569.99,2840.67 v1(569.99,2880.39) ; U3.14@1974.43,1813.79 1917.4,1813.79 1909,1805.39 1909,1737.38 1942.99,1703.39 1979.11,1703.39 v1(1995.11,1719.39)
  Bottom Layer w12: v1(502.99,1480.39) 788.99,1480.39 850.99,1542.39 1341.99,1542.39 1356.99,1557.39 1914.05,1557.39 1995.11,1638.45 v1(1995.11,1719.39) ; v1(569.99,2880.39) 574.18,2884.58 574.18,3009.58 599.6,3035 U2.6@641.22,3035
USB_DM_4: R6.2 U3.44 | length 2593.1
  Top Layer w12: R6.2@603.46,2960 672.38,2960 v1(766.09,2866.29) ; v1(1309.99,1985.39) v1(1309.99,2314.39) ; v1(2338.56,1990.96) U3.44@2411.44,1990.96
  Bottom Layer w12: v1(766.09,2866.29) 766.09,2682.64 858.34,2590.39 985.99,2590.39 1261.99,2314.39 v1(1309.99,2314.39) ; v1(1309.99,1985.39) 1310.49,1984.89 1601.82,1984.89 1696.4,1890.31 1804.29,1890.31 1860.19,1946.21 2093.26,1946.21 2103.72,1956.68 2217.46,1956.68 2241.58,1980.8 2328.4,1980.8 v1(2338.56,1990.96)
USB_DP_4: R3.2 U3.45 | length 2915.4
  Top Layer w12: R3.2@590,3035 572.99,3035 572.99,2927.39 601.99,2927.39 v1(678.99,2850.39) ; v1(1594.99,1942.39) v1(1594.99,2287.39) ; U3.45@2411.44,2010.64 2458.73,2010.64 v1(2466.99,2002.39)
  Bottom Layer w12: v1(678.99,2850.39) 678.99,2683.93 1113.53,2249.39 1384.99,2249.39 1431.99,2296.39 1474.99,2296.39 1483.99,2287.39 v1(1594.99,2287.39) ; v1(1594.99,1942.39) 1665.99,1871.39 1827.75,1871.39 1883.75,1927.39 2111.26,1927.39 2122.54,1938.68 2257.87,1938.68 2281.99,1962.8 2440.4,1962.8 2466.99,1989.39 v1(2466.99,2002.39)
VBUS_S_4: C20.2 R16.1 R17.2 U3.22 | length 2460.7
  Top Layer w12: R16.1@1460,231.53 1496.99,231.53 1501.99,226.54 R17.2@1540,226.54 1572.99,226.54 1580.27,233.82 C20.2@1615,233.82 1933.82,233.82 2005,305 2100,305 2235.35,440.35 2235.35,535.35 2335.85,635.85 2335.85,1487.51 2385,1536.65 v1(2385,1629.39) ; U3.22@2143.73,1703.56 2143.73,1748.08 v1(2154.25,1758.6)
  Bottom Layer w12: v1(2154.25,1758.6) 2283.46,1629.39 v1(2385,1629.39)
VCC: C7.2 C8.2 C9.2 C10.2 C22.2 C23.2 C68.2 CN1.1 CN2.1 CN3.1 CN4.1 D1.A D3.A FPC1.7 P1.2 Q1.2 R2.2 R9.2 R10.2 R11.2 R12.2 R13.2 R14.2 R15.2 U1.3 U2.5 U3.1 U3.19 U3.32 U3.48 U3.64 U5.2 U5.4 U6.49 U7.49 U8.1 | length 12077.7
  Top Layer w12: CN2.1@120,325 129.18,334.18 167.42,334.18 174,340.77 391.88,340.77 R9.2@396.12,336.54 460.63,336.54 460.63,440.63 ; v1(310,1120) 328.46,1101.54 R12.2@366.12,1101.54 ; 315.77,1450.77 365.35,1450.77 R14.2@366.12,1451.54 ; 316.26,1454.29 285,1423.03 v1(285,1380) 285,1306.14 308.07,1283.07 R13.2@366.12,1283.07 ; R10.2@396.12,501.54 398.09,501.54 459,440.63 460.63,440.63 ; R11.2@401.12,661.54 v1(440.8,661.54) ; v1(575,1200) v1(575,1420) ; v1(580,2260) 580,2576.26 v1(608.74,2605) U1.3@657.28,2605 ; C68.2@642.2,565.84 639.28,562.92 582.92,562.92 v1(580,560) 460.63,440.63 ; v1(674.99,1595.39) 716.46,1595.39 738.46,1573.39 ; v1(746.36,607.27) 746.98,606.65 746.98,572.59 747.07,572.49 U8.1@747.59,572.49 ; U5.4@790,1672.58 738.46,1672.58 738.46,1573.39 ; U5.2@790,1932.42 v1(790,1986.87) ; D1.A@820.32,2104.63 820.32,2134.15 840,2153.84 v1(840,2154.59) ; C22.2@871.54,1490 871.54,1493.94 850.57,1514.9 850.57,1517.5 C23.2@738.46,1517.5 738.46,1573.39 ; CN3.1@936.07,3630 1065.16,3630 1456.99,3238.17 R2.2@1481.03,3238.17 1504.99,3238.17 ; FPC1.7@1298.72,3246.28 1338.26,3246.28 1365.91,3218.64 1365.91,3205.91 v1(1369.35,3202.47) ; 1369.35,3334.35 v1(1390,3355) ; v1(1510.99,2165.39) 1510.99,2331.39 1544.99,2365.39 1755.99,2365.39 1776.99,2386.39 1867.63,2386.39 1937.68,2316.35 1937.68,2069.7 U3.1@1974.43,2069.7 ; Q1.2@1586.81,3239.23 1504.99,3238.17 ; CN4.1@1641.06,3630 1517.99,3506.92 1517.99,3251.17 1504.99,3238.17 ; C7.2@1694.41,1555 1694.71,1554.71 1694.71,1500.29 v1(1695,1500) ; v1(1856.18,1518.6) C10.2@1856.18,1555 ; v1(1915,1518.6) C9.2@1915,1555 ; v1(2013.3,2196) 2029.3,2196 2035.99,2189.31 2035.99,2172.39 2045.3,2172.39 U3.64@2045.3,2140.56 ; v1(2075,1795) 2075,1790.13 2084.67,1780.46 U3.19@2084.67,1703.56 ; C8.2@2100.59,1560 2100.59,1535.4 2125,1510.99 v1(2125,1496.6) ; U3.32@2340.58,1703.56 2340.58,1690.09 2340.67,1690 v1(2370,1690) ; U3.48@2411.44,2069.7 2411.44,2130.81 v1(2492.99,2212.35) 2492.99,2205.39 2516.54,2181.84 R15.2@2516.54,2130 ; v1(2530,2520) 2530,2570 2575.03,2615.03 2584.97,2615.03 2620.24,2579.76 2620.24,2543.34 2655.5,2508.08 2724.5,2508.08 2735,2518.58 2735,2646.83 2725,2656.83 v1(2725,3165) ; v1(2761.99,1116.39) 2761.99,1196.39 2888,1322.4 2888,1414.36 2908.07,1434.43 3030.23,1434.43 3095.4,1499.59 3132.01,1499.59 3152.99,1478.61 3152.99,1394.98 3168.58,1379.39 U6.49@3168.58,1334.61 ; v1(2830,3195) 3000,3195 v1(3050,3145) 3080.69,3114.31 3080.69,3080.87 U7.49@3080.79,3080.77
  Bottom Layer w12: P1.2@45,1885 175.7,1885 265,1974.3 265,1979.1 545.9,2260 v1(580,2260) 373,2467 373,2796.33 478.71,2902.04 478.71,2965.03 596.24,3082.55 638.77,3082.55 U2.5@641.22,3085 712.99,3085 749.99,3122 749.99,3443.92 CN3.1@936.07,3630 ; CN1.1@116.12,1090 146.12,1120 v1(310,1120) 565,1120 575,1110 ; v1(285,1380) 289.87,1380 302.05,1367.82 384.76,1367.82 391.33,1374.39 486.17,1374.39 531.78,1420 v1(575,1420) ; v1(575,1200) 575,1110 ; v1(664.99,824.25) 582.03,824.25 ; v1(746.36,607.27) 711.95,607.27 707.36,611.86 631.86,611.86 v1(580,560) 478.46,661.54 v1(440.8,661.54) 441.39,662.13 441.39,683.61 582.03,824.25 ; v1(1369.35,3202.47) 1369.35,3334.35 v1@1385,3350 ; v1(2725,3165) 2800,3165 v1(2830,3195) ; 575,1110 575,831.28 582.03,824.25
pads on no net: H1.1 H2.1 H3.1 H4.1 Q2.7 Q2.9 Q2.10 Q2.11 Q3.7 Q3.9 Q3.10 Q3.11 Q4.7 Q4.9 Q4.10 Q4.11 Q5.7 Q5.9 Q5.10 Q5.11 Q6.7 Q6.9 Q6.10 Q6.11 Q7.7 Q7.9 Q7.10 Q7.11 Q8.7 Q8.9 Q8.10 Q8.11 Q9.7 Q9.9 Q9.10 Q9.11 Q10.7 Q10.9 Q10.10 Q10.11 Q11.7 Q11.9 Q11.10 Q11.11 Q12.7 Q12.9 Q12.10 Q12.11 Q13.7 Q13.9 Q13.10 Q13.11 Q14.7 Q14.9 Q14.10 Q14.11 Q15.7 Q15.9 Q15.10 Q15.11 Q16.7 Q16.9 Q16.10 Q16.11 Q17.7 Q17.9 Q17.10 Q17.11 Q18.7 Q18.9 Q18.10 Q18.11 Q19.7 Q19.9 Q19.10 Q19.11 Q20.7 Q20.9 Q20.10 Q20.11 Q21.7 Q21.9 Q21.10 Q21.11 Q22.7 Q22.9 Q22.10 Q22.11 Q23.7 Q23.9 Q23.10 Q23.11 Q24.7 Q24.9 Q24.10 Q24.11 Q25.7 Q25.9 Q25.10 Q25.11 Q26.7 Q26.9 Q26.10 Q26.11 Q27.7 Q27.9 Q27.10 Q27.11 Q28.7 Q28.9 Q28.10 Q28.11 Q29.7 Q29.9 Q29.10 Q29.11 R1.0 R2.0 R3.0 R4.0 R5.0 R6.0 R7.0 R8.0 R9.0 R10.0 R11.0 R12.0 R13.0 R14.0 R15.0 R16.0 R17.0 R18.0 R19.0 R20.0 R21.0 R23.0 R24.0 R25.0 R26.0 R29.0 R30.0 R31.0 R32.0 R33.0 R34.0 R35.0 R38.0 R39.0 R40.0 R41.0 R42.0 R43.0 R44.0 R45.0 R46.0 R47.0 R48.0 R49.0 R50.0 R53.0 R54.0 R55.0 R56.0 U1.5 U1.8 U2.4 U4.0 U5.0 U6.4 U6.55 U6.56 U7.1 U7.2 U7.3 U7.4 U7.50 U7.51 U7.52 U7.53 U7.54 U7.56 USB1.2 USB1.3 USB1.4 USB1.9 USB1.10 USB1.11

## Polygon pours and split planes (outlines as drawn)
AGND on Bottom Layer "AGND_L04_P001" (solid, remove dead copper, pour order 1): -10,3934.97 -10,-2.03 3927.01,-2.03 3927.01,3934.97
PGND on Top Layer "PGND_L01_P000" (solid, pour order 0): -10,3934.97 -10,-2.03 3927.01,-2.03 3927.01,3934.97
AVCC on PWR03 (split plane): 3906.91,18.06 10.1,18.06 10.1,3914.88 3906.91,3914.88
+5 on PWR03 (split plane): 3089.91,2315 3090,2314.31 3090.26,2312.39 3090.43,2311.97 3091.27,2309.96 3092.66,2308.14 3092.87,2307.87 3149.67,2251.06 3149.67,1851.92 3072.87,1775.11 3071.26,1773.02 3070.97,1772.31 3070.26,1770.59 3069.91,1767.98 3069.91,1112.5 3070.26,1109.89 3071.27,1107.46 3072.87,1105.37 3149.67,1028.56 3149.67,625.24 3150.02,622.63 3151.03,620.2 3152.63,618.11 3192.87,577.87 3194.96,576.27 3196.68,575.55 3197.39,575.26 3200,574.91 3500.82,574.91 3639.91,435.82 3639.91,174.18 3590.82,125.09 379.18,125.09 210.09,294.18 210.09,1115 209.74,1117.61 209.45,1118.32 208.74,1120.04 207.13,1122.13 170.09,1159.18 170.09,1740 169.74,1742.61 169.45,1743.32 168.74,1745.04 167.13,1747.13 145.09,1769.18 145.09,1835.82 149.18,1839.91 235,1839.91 235.73,1840.01 244.91,1830.82 244.91,1420 244.91,1043.89 245.26,1041.28 246.27,1038.85 247.87,1036.76 304.91,979.72 304.91,305 305.26,302.39 306.27,299.96 307.87,297.87 312.87,292.87 314.96,291.27 317.39,290.26 320,289.91 355.82,289.91 397.87,247.87 399.96,246.27 402.39,245.26 405,244.91 1515.82,244.91 1572.87,187.87 1574.96,186.27 1577.39,185.26 1580,184.91 3510,184.91 3510.69,185 3512.61,185.26 3515.04,186.27 3517.13,187.87 3562.13,232.87 3563.74,234.96 3564.33,236.38 3564.74,237.39 3565.09,240 3565.09,430 3564.74,432.61 3564.03,434.33 3563.74,435.04 3562.13,437.13 3477.13,522.13 3475.04,523.74 3472.61,524.74 3470,525.09 3204.18,525.09 2960.09,769.18 2960.09,769.99 2960.09,770 2960.09,770.01 2960.09,2744.91 3089.91,2744.91
VCC on PWR03 (split plane): 2591.62,2687.87 2593.71,2686.27 2594.92,2685.76 2596.14,2685.26 2598.75,2684.91 2730.82,2684.91 2764.91,2650.82 2764.91,770 2765.26,767.39 2766.27,764.96 2767.87,762.87 2769.96,761.27 2772.39,760.26 2775,759.91 2941.3,759.91 2942.87,757.87 3192.87,507.87 3194.96,506.27 3197.39,505.26 3200,504.91 3465.82,504.91 3544.91,425.82 3544.91,244.18 3505.82,205.09 2839.35,205.09 2867.13,232.87 2868.74,234.96 2869.74,237.39 2870.09,240 2870.09,310 2869.74,312.61 2869.03,314.33 2868.74,315.04 2867.13,317.13 2722.13,462.13 2720.04,463.74 2717.61,464.74 2715,465.09 2494.18,465.09 2370.09,589.18 2370.09,1280 2369.74,1282.61 2368.74,1285.04 2367.13,1287.13 2262.13,1392.13 2260.04,1393.74 2257.61,1394.74 2255,1395.09 519.18,1395.09 505.09,1409.18 505.09,2230.82 569.18,2294.91 690.82,2294.91 737.87,2247.87 739.96,2246.27 741.17,2245.76 742.39,2245.26 745,2244.91 1170.82,2244.91 1192.87,2222.87 1193.66,2222.26 1194.41,2221.61 1194.7,2221.46 1194.96,2221.27 1195.88,2220.88 1196.77,2220.45 1197.09,2220.38 1197.39,2220.26 1198.38,2220.13 1199.35,2219.93 1276.85,2214.93 1277.18,2214.96 1277.5,2214.91 1412.5,2214.91 1412.94,2214.97 1413.37,2214.95 1470.87,2219.95 1471.74,2220.14 1472.61,2220.26 1473.02,2220.43 1473.45,2220.52 1474.23,2220.93 1475.04,2221.27 1475.39,2221.53 1475.78,2221.73 1476.43,2222.33 1477.13,2222.87 1554.18,2299.91 2340,2299.91 2342.61,2300.26 2345.04,2301.27 2347.13,2302.87 2422.13,2377.87 2423.74,2379.96 2424.74,2382.39 2425.09,2385 2425.09,2734.91 2544.57,2734.91
DCBUS on PWR03 (split plane): 242 vertices, not listed, extent 310.09,205.09 3699.91,3229.91
AGND on GND02 (split plane): 3906.91,18.06 10.1,18.06 10.1,3914.88 3906.91,3914.88
PGND on GND02 (split plane): 206 vertices, not listed, extent 515.1,50.1 3624.9,3659.9

## Other copper
GND02 (plane layer: these items are gaps in the copper):
  lines w10: 2240,1595 2240,1540 ; 2240,1540 2240,2225 2195,2270 770,2270 760,2280 760,2490 765,2495 1035,2495 1085,2545 1085,2655 1075,2665 770,2665 760,2675 760,3050 785,3075 2135,3075 2245,3185 2245,3530 2030,3530 1915.19,3530 1915.19,3625.19 1990,3625.19 2364.44,3625.19 2404.25,3665 2711.38,3665 3021.38,3355 3195.59,3355 3224.29,3383.7 3420.24,3383.7 3460.59,3343.35 3460.59,3175.59 3350,3065 2450,3065 2410,3025 2410,1565 3630,1565 3630,1374.73 2455.27,1374.73 2335,1495 2275,1495 2265,1485 2265,1400 2335,1330 2335,405 2415,325 2650,325 2780,455 3125,455 3125,175 3090,175 3010,95 3010,65 2990,45 ; 2240,1540 2095,1395 625,1395 510,1280 510,690 705,690 720.01,674.99 720.01,635.01 720.01,595 865,595 880,580 880,440 875,435 795,435 675,555 675,595 650,620 510,620 510,215 680,45 1445,45 1445,120 1500,175 1500,200 1540,240 1540,300 1565,325 1565,440 1612.27,487.27 1612.27,683.18 1612.27,722.73 1515,820 1515,935 1570,935 1570,840 1605,805 1655,755 1655,695 1775,695 1775,610 1650,610 1650,350 1720,280 1720,245 1675,200 1620,200 1585,165 1585,45 2990,45 ; 2990,45 2990,45
PWR03 (plane layer: these items are gaps in the copper):
  lines w20: 235,1850 145,1850 135,1840 135,1765 160,1740 160,1155 200,1115 200,290 375,115 445,115 3595,115 3650,170 3650,440 3505,585 3200,585 3159.76,625.24 3159.76,1032.74 3080,1112.5 3080,1767.98 3159.76,1847.74 3159.76,2255.24 3100,2315 3100,2755 2950,2755 2950,765 3200,515 3470,515 3555,430 3555,240 3510,195 2815,195 ; 240,1850 255,1835 255,1420 255,1043.89 315,983.89 315,305 320,300 360,300 405,255 535,255 ; 475,315 535,255 ; 479.75,319.75 479.75,700.25 954.75,700.25 985,670 1025,670 1045,690 1045,731.6 1001.6,775 920,775 890,745 475,745 ; 2195,3410 2215,3390 ; 2615,3445 2625,3435 ; 2950,770 2775,770 2775,2655 2735,2695 2598.75,2695 2548.75,2745 2415,2745 2415,2385 2340,2310 1550,2310 1470,2230 1412.5,2225 1277.5,2225 1200,2230 1175,2255 745,2255 695,2305 565,2305 495,2235 495,1405 515,1385 2255,1385 2360,1280 2360,585 2490,455 2715,455 2860,310 2860,240 2815,195 ; 3165,2155 3210,2110 3210,1455 3250,1415 3250,1270 3395.74,1270 3465,1200.74 3709.26,1200.74 3710,1200 3710,1580 3367.14,1922.86 ; 3265,2990 3170,3085 2400,3085 2245,3240 890,3240 740,3090 740,2450 690,2400 400,2400 345,2345 345,1970 300,1925 300,1050 410,1050 475,985 475,745 ; 3275,2980 3335,2980 3435,2980 3470,2945 3470,2850 3367.14,2747.14 ; 3367.14,2745.35 3367.14,2669.35 3362.8,2665 3630,2665 3660,2635 3660,2585 3638.11,2563.11 3373.11,2563.11 3373.11,1928.83 ; 475,745 475,745 ; 535,255 1520,255 1580,195 2815,195

## Silkscreen, mask and mechanical layers (free items; w line width, h text height)
Top Overlay:
  text "Odrive  48V" at 950.17,2492.83 h300
  text "V1.1.0@dongbing" at 975,2337.58 h120
Mechanical 15:
  the board outline again, w10

## Text inside footprints (layer, text, board x,y; h text height)
SW1: Mechanical 6 "1" at 2682,1724.09 h20